# Altium PCB PCB_NexisIV_ps.PcbDoc
Units mm, origin at the board's own origin, x right, y up, seen from the top; angles counter-clockwise.
Board outline 84 x 50 mm, 2 copper layers (Top Layer, Bottom Layer); 37 components, 17 nets, 95 pads, 35 vias.
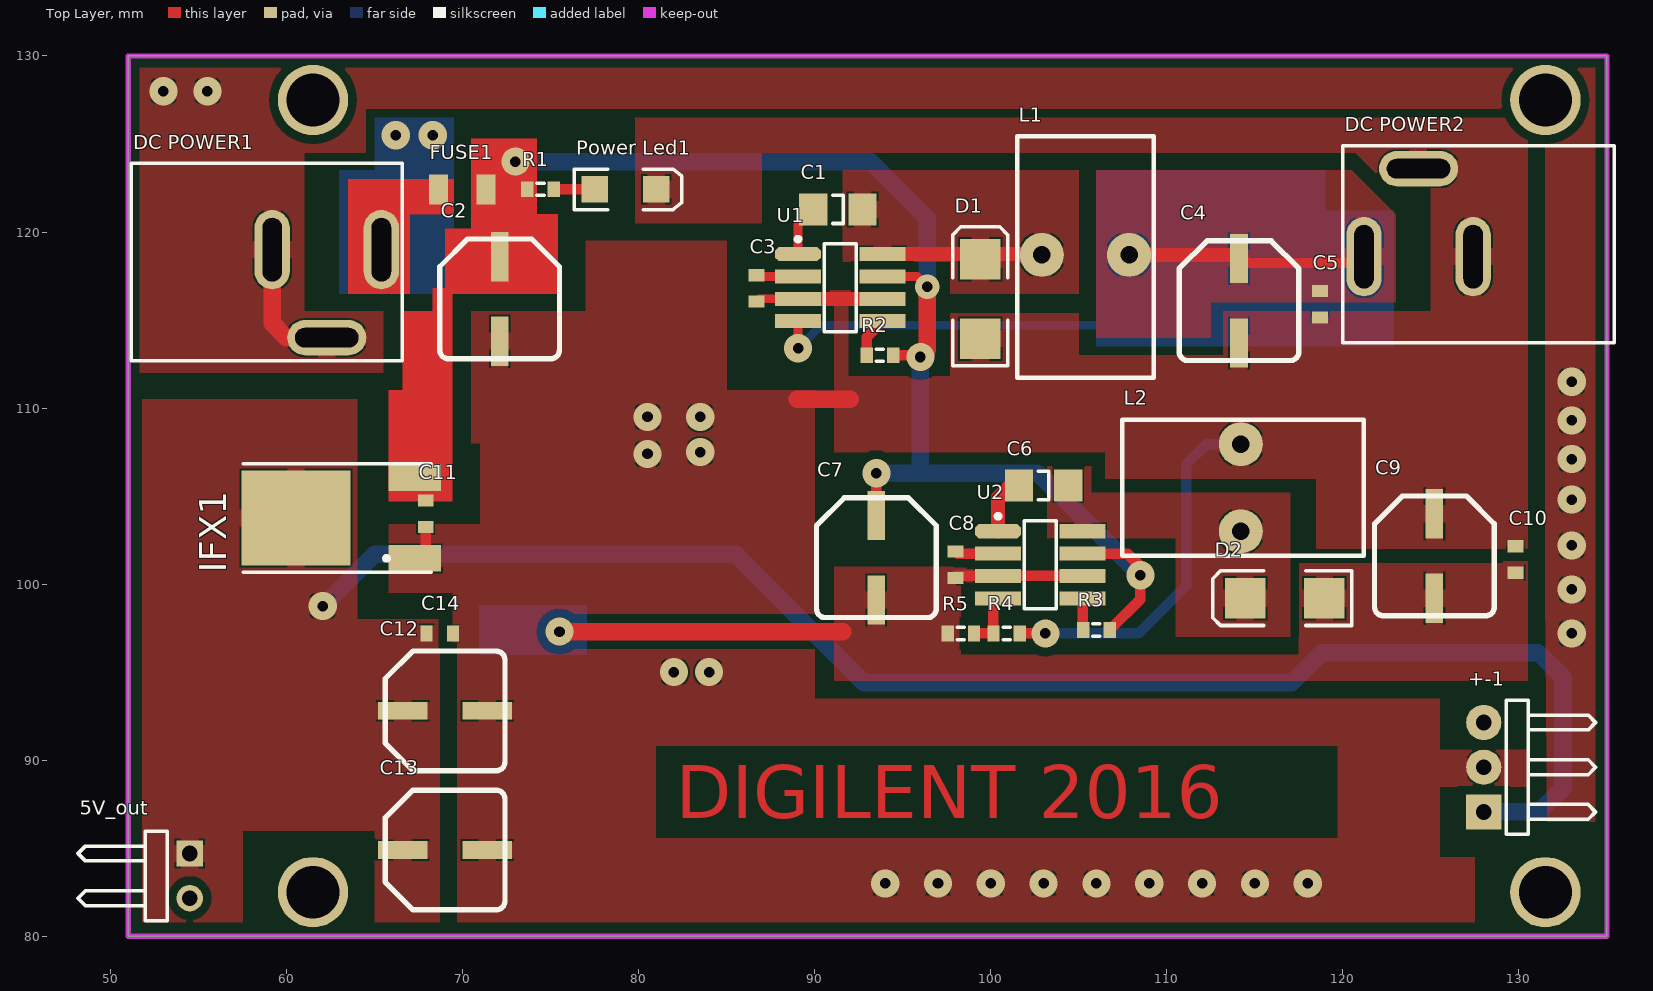
[diagram p0: Top Layer view]
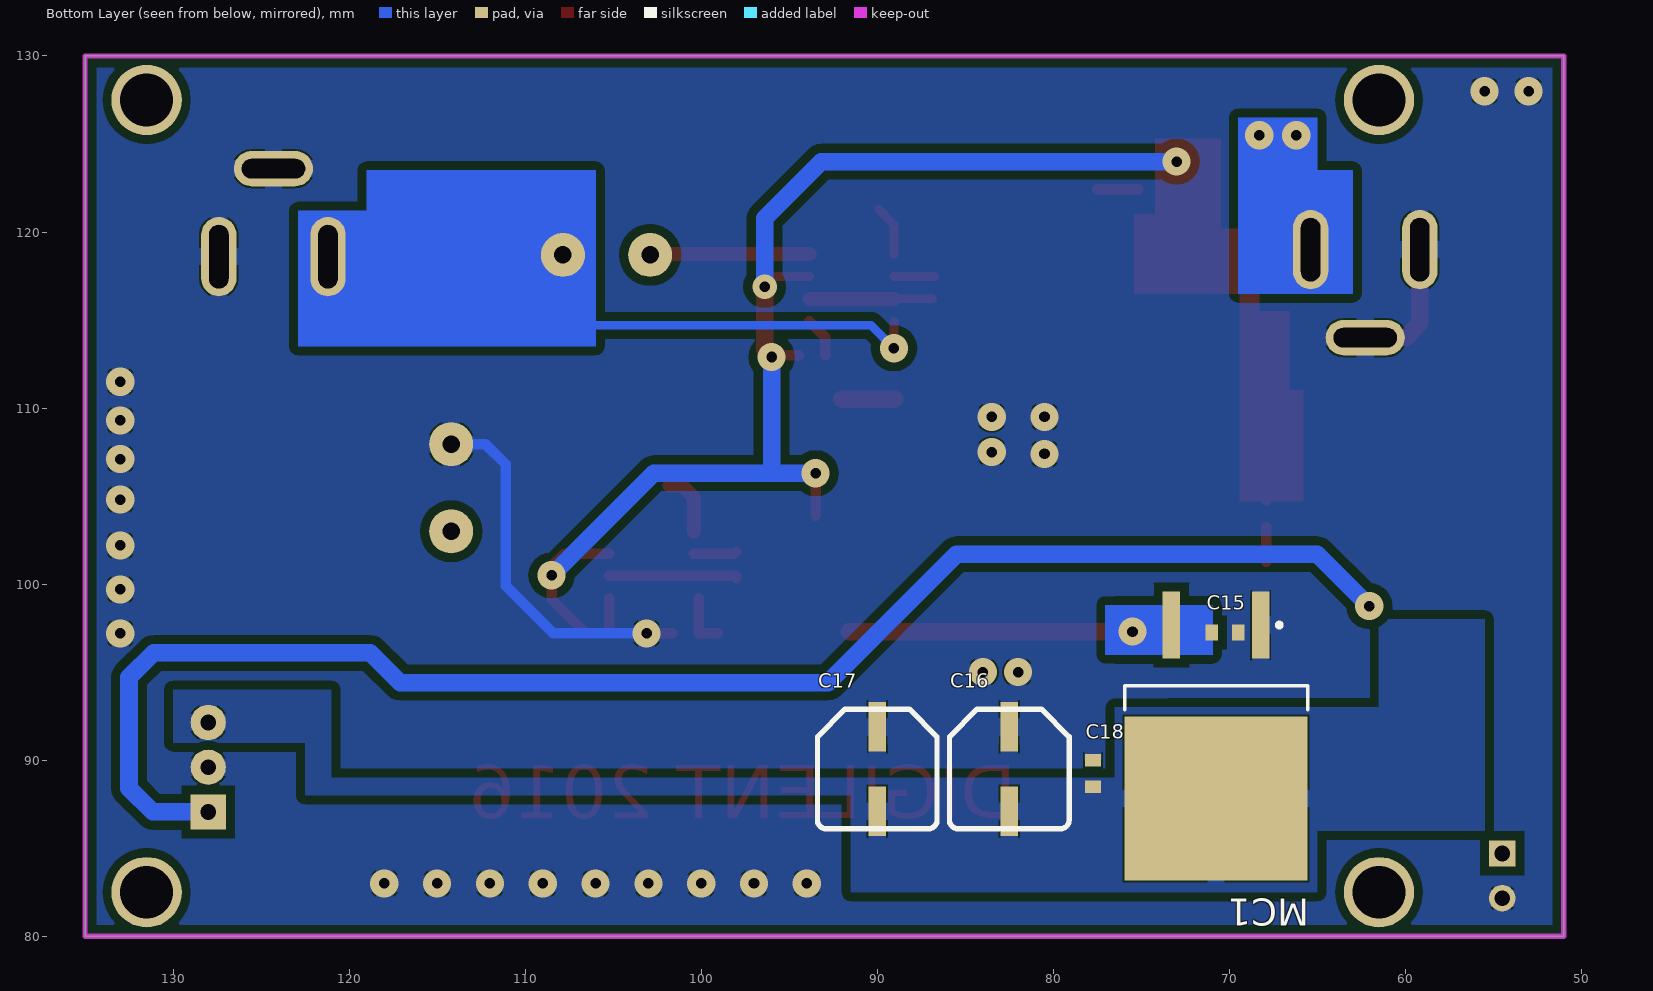
[diagram p1: Bottom Layer view, seen from below]
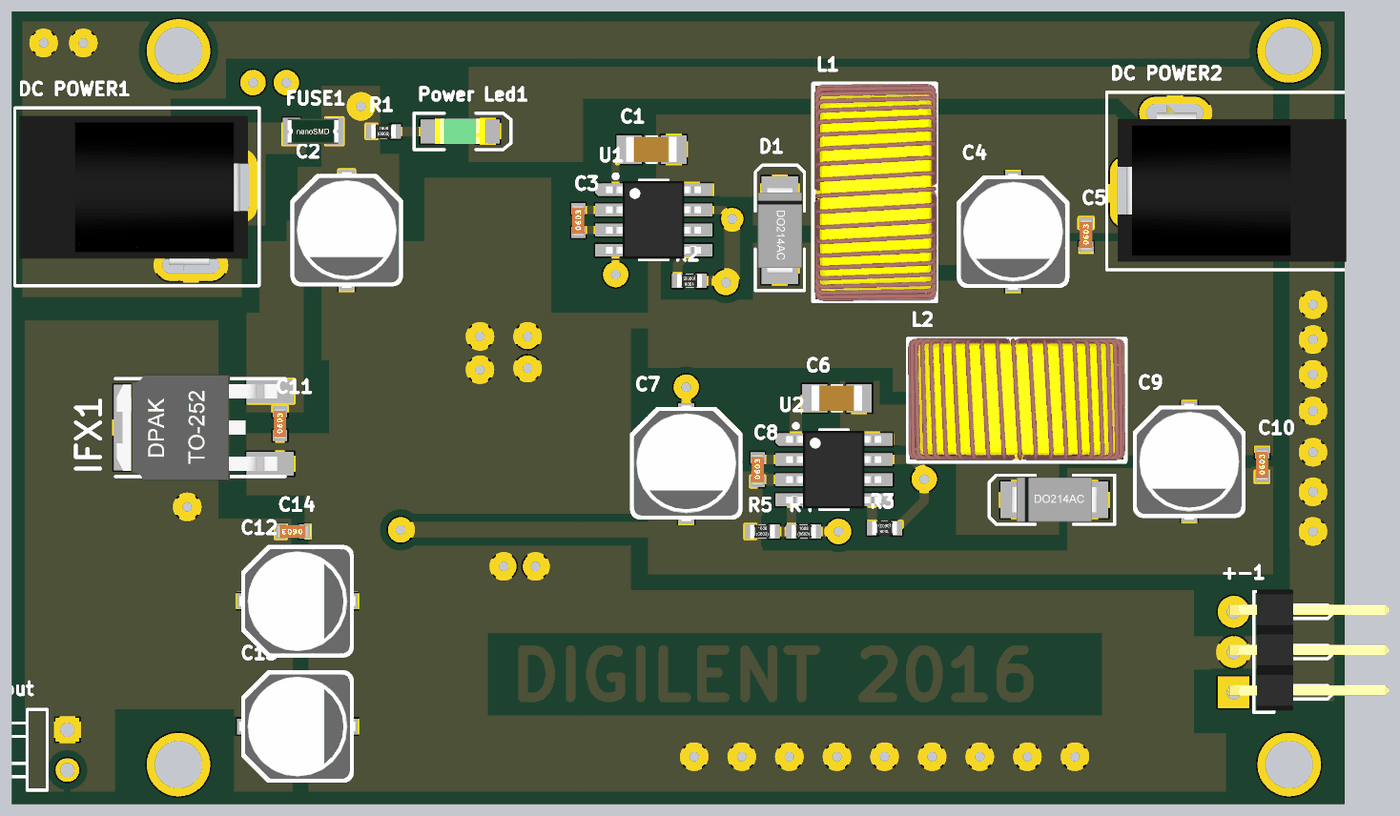
[diagram p2: 3D render of the assembled board from above, using the file's embedded part models]
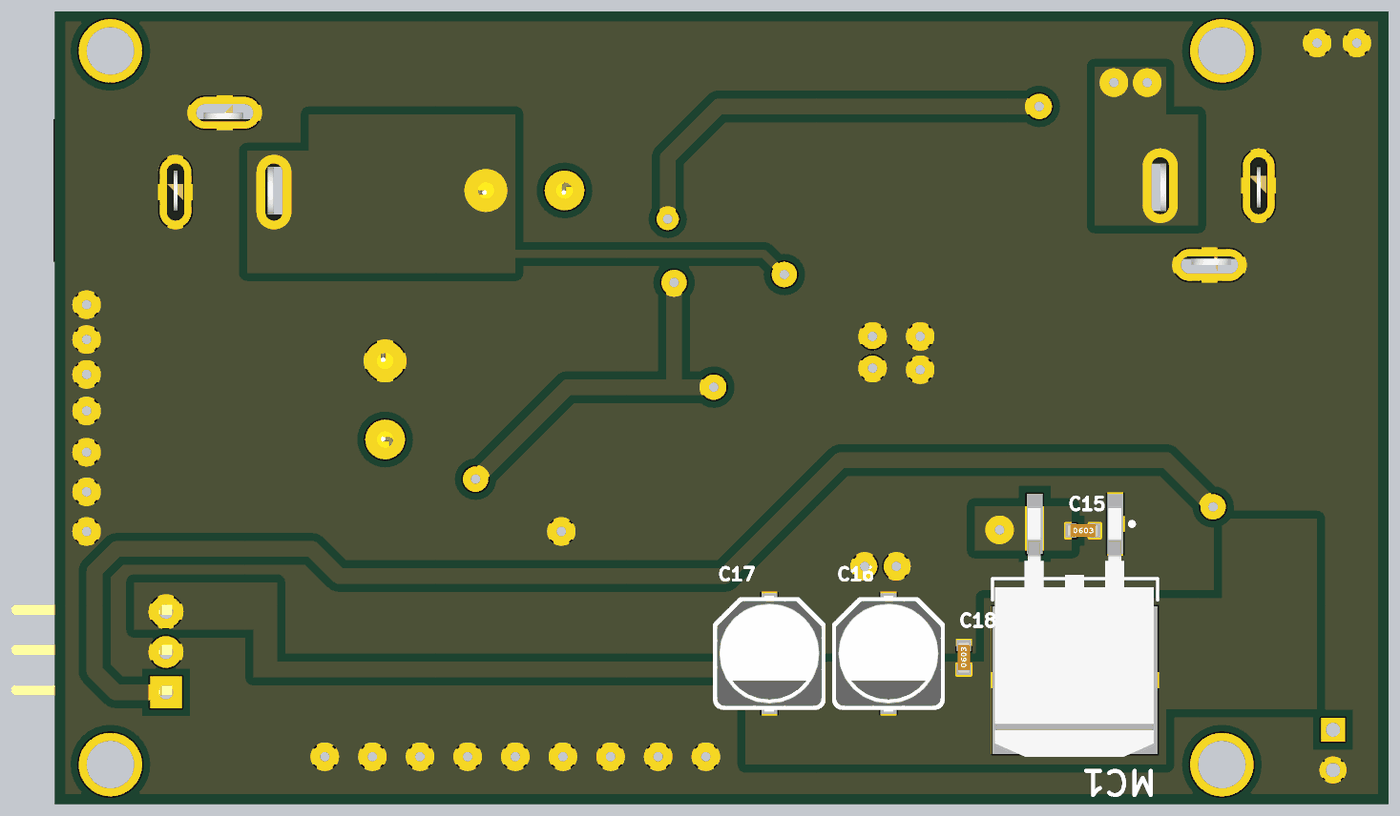
[diagram p3: 3D render of the assembled board from below, using the file's embedded part models]

## Layer stack, top to bottom
Top Layer: signal copper 0.0356
Dielectric: dielectric 0.32, FR-4, Dk 4.8
Bottom Layer: signal copper 0.0356

## Board outline
51,80 135,80 135,130 51,130

## Design rules (kind name [scope] priority, off if disabled: settings)
Clearance [All] p1: gap=0.5
PolygonConnect [All] p1: connectstyle=Relief reliefconductorwidth=1 reliefentries=4 polygonreliefangle="90 Angle" airgapwidth=0.1
RoutingVias [All] p1: holewidth=0.711 width=1.27 viastyle="Through Hole" minholewidth=0.711 minwidth=1.27 maxholewidth=0.711 maxwidth=1.27
SolderMaskExpansion [All] p1: expansion=0.102
Width [All] p1: maxlimit=3 minlimit=0.1 preferedwidth=0.5
28 further rules are at their usual default settings.

## Classes and differential pairs
component class SCH_NexisIV_ps: 5V_out +-1 C1 C2 C3 C4 C5 C6 C7 C8 C9 C10 C11 C12 C13 C14 C15 C16 C17 C18 D1 D2 "DC POWER1" "DC POWER2" FUSE1 L1 L2 "Power Led1" R1 R2 R3 R4 R5 U1 U2

## Components (designator, comment, footprint, x,y, rotation, side; value= is the part's Value field where it differs from the comment)
5V_out "Header 2H" HDR1X2H 54.5,84.7 r270 top
+-1 "Header 3" 3pin_header_90 128,89.6 r180 top
C1 "Cap" "condensator SMD(1206-v.1 )" 91.313,121.285 r180 top
C2 "Cap Pol1" "condensator smd (6,3 x 5)(blank)" 72.1,116.2 r90 top
C3 "Cap" "Condensator SMD(1608)" 86.7,116.8 r0 top
C4 "Cap Pol1" "condensator smd (6,3 x 5)(blank)" 114.1,116.1 r90 top
C5 "Cap" "Condensator SMD(1608)" 118.7,115.9 r0 top
C6 "Cap" "condensator SMD(1206-v.1 )" 103,105.6 r180 top
C7 "Cap Pol1" "condensator smd (6,3 x 5)(blank)" 93.5,101.5 r90 top
C8 "Cap" "Condensator SMD(1608)" 98,101.1 r0 top
C9 "Cap Pol1" "condensator smd (6,3 x 5)(blank)" 125.2,101.6 r90 top
C10 "Cap" "Condensator SMD(1608)" 129.8,101.4 r0 top
C11 "Cap" "Condensator SMD(1608)" 67.9,104 r0 top
C12 "Cap Pol1" "condensator smd (6,3 x 5)(blank)" 69,92.8 r180 top
C13 "Cap Pol1" "condensator smd (6,3 x 5)(blank)" 69,84.9 r180 top
C14 "Cap" "Condensator SMD(1608)" 68.7,97.2 r90 top
C15 "Cap" "Condensator SMD(1608)" 70.25,97.25 r270 bottom
C16 "Cap Pol1" "condensator smd (6,3 x 5)(blank)" 82.5,89.5 r90 bottom
C17 "Cap Pol1" "condensator smd (6,3 x 5)(blank)" 90,89.5 r90 bottom
C18 "Cap" "Condensator SMD(1608)" 77.75,89.25 r180 bottom
D1 "Diode 1N4001" diodaSMD 99.4,116.2 r0 top
D2 "Diode 1N4001" diodaSMD 116.7,99.2 r90 top
"DC POWER1" "DC POWER" "DC POWER [5.5mm]" 59.182,118.999 r180 top
"DC POWER2" "DC POWER" "DC POWER [5.5mm]" 127.4,118.6 r0 top
FUSE1 "Fuse 2" Fuse_3216 69.977,122.428 r180 top
IFX1 "Component_1" TO-252[me] 63.9,103.75 r90 top
L1 "Inductor Iron" BOBINA_SHOCK_2 102.9,118.7 r0 top
L2 "Inductor Iron" BOBINA_SHOCK_2 114.2,103 r90 top
MC1 "Component_1" TO-263-3s 70.75,92.75 r270 bottom
"Power Led1" "LED2" "led smd verde" 79.248,122.428 r0 top
R1 "Res1" 1608(R) 74.422,122.428 r0 top
R2 "Res1" 1608(R) 93.7,113 r180 top
R3 "Res1" 1608(R) 106,97.4 r180 top
R4 "Res1" 1608(R) 100.9,97.2 r0 top
R5 "Res1" 1608(R) 98.3,97.2 r0 top
U1 "MAX5035B" "SOIC 8 pini" 91.44,116.84 r0 top
U2 "MAX5035D" "SOIC 8 pini" 102.8,101.1 r0 top

## Footprints (in the part's own frame and the unit in brackets; to place one, negate y for a bottom-side part, rotate by r counter-clockwise, add the part's x,y. Pads: shape width x height; smd on the part's side, far side on the other; paste and mask are expansions set on the pad)
3pin_header_90 [mm]
  rect 2x2 hole 0.9: 1(0,2.54)
  round 2 hole 0.9: 2(0,0) 3(0,-2.54)
  silkscreen extent -6.35,-3.81 -1.27,3.81, body extent -9.75,-3.94 0.38,3.68, height 2.51
1608(R) [mm] "Rezistor SMD (1,6 X 0,8) mm"
  rect 0.7x0.9 smd: 1(-0.75,0) 2(0.75,0)
  silkscreen extent -0.2,-0.35 0.2,0.35, body extent -0.77,-0.42 0.78,0.43, height 0.45
BOBINA_SHOCK_2 [mm]
  round 2.5 hole 1: 1(0,0) 2(4.953,0)
  silkscreen extent -1.4,-6.98 6.35,6.73, body extent -1.31,-6.97 6.39,6.72, height 14.25
"condensator smd (6,3 x 5)(blank)" [mm]
  rect 2.8x1 smd: 1(2.4,0) 2(-2.4,0)
  silkscreen extent -3.4,-3.4 3.4,3.4, body extent -3.65,-3.3 3.65,3.3, height 5.9
"condensator SMD(1206-v.1 )" [mm]
  rect 1.6x1.8 smd: 1(-1.4,0) 2(1.4,0)
  silkscreen extent -0.3,-0.8 0.3,0.8, body extent -1.59,-0.81 1.61,0.79, height 1
"Condensator SMD(1608)" [mm]
  rect 0.9x0.7 smd: 1(0,-0.75) 2(0,0.75)
  body extent -0.4,-1.01 0.39,0.99, height 0.79
"DC POWER [5.5mm]" [mm]
  oval 2x4.5 hole 1.1 slot 3.6 at 90 deg: 1(-6.2,0) 3(0,0)
  oval 4.5x2 hole 1.1 slot 3.6 at 0 deg: 2(-3.1,5)
  silkscreen extent -7.4,-4.9 8,6.3, body extent -6.7,-4.4 7.7,5, height 11.05
diodaSMD [mm]
  rect 2.3x2.3 smd: 1(0,-2.25) 2(0,2.25)
  silkscreen extent -1.55,-3.8 1.55,4.1, body extent -1.39,-2.74 1.41,2.74, height 2.24
Fuse_3216 [mm] "Rezistor SMD (3,2 X 1,6) mm"
  rect 1.1x1.7 smd: 1(-1.35,0) 2(1.35,0)
  body extent -1.6,-0.8 1.6,0.8, height 1
HDR1X2H [mm] "Connector; Header; 2 Position; Right Angle"
  rect 1.5x1.5 hole 0.9: 1(0,0)
  round 1.5 hole 0.9: 2(2.54,0)
  silkscreen extent -1.27,-6.35 3.81,-1.27
"led smd verde" [mm]
  rect 1.5x1.5 smd: 1(-1.75,0) 2(1.75,0)
  silkscreen extent -2.9,-1.15 3.2,1.15, body extent -1.6,-0.79 1.6,0.81, height 1.11
"SOIC 8 pini" [mm]
  oct 2.6x0.8 smd: 1(-2.387,1.905)
  rect 2.6x0.8 smd: 2(-2.387,0.635) 3(-2.387,-0.635) 4(-2.387,-1.905) 5(2.413,-1.905) 6(2.413,-0.635) 7(2.413,0.635) 8(2.413,1.905)
  silkscreen extent -2.51,-2.5 0.91,2.88, body extent -3,-2.45 3,2.45, height 1.75
TO-252[me] [mm]
  rect 1.5x3 smd: 1(-2.285,-3.375) 3(2.285,-3.375)
  rect 5.4x6.2 smd: 2(0,3.375)
  silkscreen extent -3.09,-4.32 3.09,6.38, body extent -3.37,-3.81 3.37,6.29, height 2.37
TO-263-3s [mm]
  rect 3.8x1 smd: 1(-4.925,2.54) 3(-4.925,-2.54)
  rect 9.3x10.4 smd: 4(4.925,0)
  silkscreen extent -5.05,-5.2 -0.12,5.2, body extent -5.92,-5.03 9.75,4.97, height 4.78

## Part data
5V_out: "Header, 2-Pin, Right Angle"
+-1: "Header, 3-Pin"
C1 C3 C5 C6 C8 C10 C11 C14 C15 C18: "Capacitor"
C2 C4 C7 C9 C12 C13 C16 C17: "Polarized Capacitor (Radial)"
D1 D2: "1 Amp General Purpose Rectifier"
FUSE1: "Fuse"
L1 L2: "Magnetic-Core Inductor"
"Power Led1": "Typical RED, GREEN, YELLOW, AMBER GaAs LED"
R1 R2 R3 R4 R5: "Resistor"
U1 U2: library part MAX5035

## Free pads (board coordinates)
  round 4 hole 3: ""(61.5,82.5) ""(61.5,127.5) ""(131.5,82.5) ""(131.5,127.5)

## Via types
v1: diameter 1.6, hole 0.6, Top Layer to Bottom Layer, 34 vias
v2: diameter 1.4, hole 0.6, Top Layer to Bottom Layer, 1 vias

## Nets (pads, with @x,y where several pads share a name; then routed paths per layer and width w, separated by ;. In a path a pad name is that pad's centre, name@x,y a point inside that pad or via, vN(x,y) a via of type N, cw(c..) or ccw(c..) an arc to the next point about the centre after c; other vN are vias at no path point)
+5V: "DC POWER2.1" C4.1 C5.2 L1.2 U1.4 | length 48.7
  Top Layer w0.5: v1(89.053,113.4) U1.4
  Top Layer w0.6: C4.1@114.1,118.7 114.55,118.25 120.35,118.25
  Top Layer w0.8: L1.2 C4.1@114.1,118.7
  Bottom Layer w0.5: v1(89.053,113.4) 90.353,114.7 114.1,114.7 118.5,119.1 121.2,119.1
+5V_LINIAR: 5V_out.1 +-1.1 C12.1 C13.1 C14.2 IFX1.2 | length 87.3
  Bottom Layer w1: v1(62.05,98.75) 65,101.7 85.5,101.7 92.8,94.4 117.1,94.4 118.8,96.1 131.1,96.1 132.5,94.7 132.5,88.4 131.16,87.06 +-1.1
+VCC: C2.1 C7.1 C11.2 FUSE1.1 IFX1.3 R1.1 R2.1 R3.1 U1.7 U2.7 | length 82.1
  Top Layer w0.5: U1.7 95.825,117.475 v2(96.4,116.9)
  Top Layer w0.6: C11.2 IFX1.3@67.9,106.34 ; FUSE1.1 R1.1 ; C7.1 v1(93.5,106.3) ; R2.1 95.9,113 v1(96,112.9) ; U2.7 107.765,101.735 108.5,101 v1(108.5,100.5) 108.5,99.15 R3.1
  Top Layer w0.8: FUSE1.1 71.327,123.327 72,124 v1(73,124)
  Top Layer w1: FUSE1.1 71.374,122.381 71.374,118.605 ; v1(96,112.9) 96.4,113.3 v2(96.4,116.9)
  Bottom Layer w1: v1(73,124) 93.175,124 96.4,120.775 v2(96.4,116.9) ; v1(93.5,106.3) 102.7,106.3 v1(108.5,100.5) ; 96,106.35 v1(96,112.9)
-5V_LINIAR: +-1.3 C16.2 C17.2 C18.1 MC1.4
-VCC: C7.2 C8.1 C9.2 C10.1 C15.1 D2.1 MC1.3 R5.1 U2.3 U2.6 | length 23.5
  Top Layer w0.6: C8.1 C8.1@98.115,100.465 ; C8.1@98,100.465 C8.1@98.115,100.465 ; U2.6 U2.3 C8.1@98.115,100.465
  Top Layer w1: v1(75.5,97.3) 91.6,97.3
FB: R4.1 R5.2 U2.4 | length 3.1
  Top Layer w0.6: R5.2 R4.1 U2.4@100.15,99.195
GND: 5V_out.2 "DC POWER1.2" "DC POWER1.3" "DC POWER2.2" "DC POWER2.3" "Power Led1.2" +-1.2 C2.2 C3.1 C4.2 C5.1 C9.1 C10.2 C11.1 C12.2 C13.2 C14.1 C15.2 C16.1 C17.1 C18.2 D1.1 IFX1.1 L2.2 MC1.1 R4.2 U1.3 U1.6 | length 40.7
  Top Layer w0.5: C3.1@86.855,116.205 U1.3
  Top Layer w0.6: IFX1.1@67.9,101.26 C11.1 ; R4.2 v1(103.1,97.2)
  Top Layer w0.8: U1.3 U1.6
  Top Layer w1: 59.182,118.999 59.182,114.808 59.991,113.999 62.282,113.999 ; 89,110.5 92,110.5
  Bottom Layer w0.6: v1(103.1,97.2) 108.4,97.2 111.1,99.9 111.1,106.8 112.253,107.953 L2.2
  other v1: 94,83 97,83 100,83 103,83 106,83 109,83 112,83 115,83 118,83 82,95 84,95 133,97.2 133,99.7 133,102.2 133,104.8 133,107.1 80.5,107.4 83.5,107.5 133,109.3 80.5,109.5 83.5,109.5 133,111.5 53,128 55.5,128
NetC1_1: C1.1 D1.2 L1.1 U1.8 | length 9
  Top Layer w0.8: U1.8 L1.1@102.9,118.745
NetC1_2: C1.2 U1.1 | length 2.9
  Top Layer w0.5: U1.1 89.053,120.425 C1.2
NetC3_2: C3.2 U1.2 | length 2.3
  Top Layer w0.5: C3.2@86.753,117.475 U1.2
NetC6_1: C6.1 D2.2 L2.1 U2.8
NetC6_2: C6.2 U2.1 | length 3.6
  Top Layer w0.8: U2.1 100.413,104.913 101.1,105.6 C6.2@101.8,105.6
NetC8_2: C8.2 U2.2 | length 2.5
  Top Layer w0.6: C8.2 98.115,101.735 U2.2
"NetDC POWER1_1": "DC POWER1.1" FUSE1.2 | length 6
  Top Layer w1: 65.382,118.999 65.382,121.262 66.548,122.428 FUSE1.2
  other v1: 66.2,125.5 68.3,125.5
"NetPower Led1_1": "Power Led1.1" R1.2 | length 2.3
  Top Layer w0.6: R1.2 77.498,122.428
NetR2_2: R2.2 U1.5 | length 2.3
  Top Layer w0.6: R2.2 92.95,114.032 U1.5
NetR3_2: R3.2 U2.5 | length 1.8
  Top Layer w0.6: R3.2@105.213,97.4 U2.5

## Polygon pours and split planes (outlines as drawn)
GND on Top Layer "GND" (solid, pour order 31): 131.6,86.5 135,86.5 135,129.9 135,130 51.1,130 51,130 51,112 65.5,112 65.5,113.8 65.5,115.5 63.6,115.5 61,115.5 61,117.6 61,124.5 64,124.5 64.5,124.5 64.5,125.9 64.5,127 66.9,127 131.5,127 131.5,99.6
GND on Top Layer "GND" (solid, pour order 25): 85,113 85,111 88.5,111 90,111 90,106.5 90,93.5 96,93.5 125.5,93.5 125.5,91.5 125.5,90.6 124,90.6 124,82.3 77,82.3 77,96.493 77,113
GND on Top Layer "GND" (solid, remove dead copper, pour order 17): 76,115.5 70.5,115.5 70.5,113.2 70.5,108 71,108 71,104.5 71,103.4 66.3,103.4 65.8,103.4 65.8,102.3 65.8,99.5 67.4,99.5 69.45,99.5 69.45,97.2 69.7,97.2 69.7,95 69.7,80.8 71.9,80.8 127.5,80.8 127.5,82.5 127.5,84.5 125.5,84.5 125.5,88.5 129,88.5 130.6,88.5 130.6,90.4 130.6,90.6 128.1,90.6 124,90.6 124,87.5 124,82.3 120,82.3 77,82.3 77,89.4 77,113 84,113 85,113 85,117.3 85,119.5 80,119.5 77,119.5 77,115.5
+5V_LINIAR on Top Layer "GND" (solid, remove dead copper, pour order 15): 64,110.5 51.8,110.5 51.8,107.2 51.8,80.8 56.8,80.8 57.5,80.8 57.5,84.5 57.5,86 61.9,86 65,86 65,84.1 65,80.8 67.7,80.8 68.7,80.8 68.7,91.5 68.7,98 64,98
-VCC on Top Layer "GND" (solid, remove dead copper, pour order 11): 130.5,101.3 130.5,94.5 91,94.5 91.1,94.5 91.1,99.2 91.1,101 93.6,101 106.8,101 106.8,100.4 106.8,100 105.3,100 98.3,100 98.3,99.4 98.3,96 100.8,96 117.5,96 117.5,98.5 117.5,101.2 120,101.2 129.1,101.2 129.1,101.3
NetC6_1 on Top Layer "GND" (solid, remove dead copper, pour order 9): 103.2,102.6 103.2,106.7 105.1,106.7 105.7,106.7 105.7,105.6 105.7,105.2 109,105.2 117,105.2 117,102.9 117,97 112.3,97 110.5,97 110.5,100.8 110.5,102.6 108.5,102.6
GND on Top Layer "GND" (solid, remove dead copper, pour order 5): 130.5,109.5 130.5,102 129,102 118.5,102 118.5,104 118.5,106 113.9,106 106.5,106 106.5,107.5 91.1,107.5 91.1,109.5
NetC1_1 on Top Layer "GND" (solid, pour order 4): 92,118.3 91.6,118.3 91.6,122 91.6,123.5 99,123.5 105,123.5 105,120.8 105,116.5 101.5,116.5 97.7,116.5 97.7,117.9 97.7,118.3 94.1,118.3
+5V on Top Layer "GND" (solid, pour order 6): 106,116.5 106,123.5 117.5,123.5 120.5,123.5 123,121 123,116 120.6,116 112.5,116 112.5,114.5 112.5,114 106,114
GND on Top Layer "GND" (solid, pour order 8): 94.7,115.8 91.9,115.8 91.9,115 91.9,111.8 94.5,111.8 97.7,111.8 97.7,113.6 97.7,115.4 100.1,115.4 105,115.4 105,114.1 105,113 108.3,113 113.2,113 113.2,114.2 113.2,115.5 114.8,115.5 125,115.5 125,116.9 125,122.5 123.5,122.5 122.7,122.5 121.5,123.7 120.7,124.5 114,124.5 87,124.5 87,122 87,120.5 80,120.5 79.8,120.5 79.8,123.5 79.8,126.5 94.5,126.5 130.5,126.5 130.5,120.4 130.5,109.5 94.4,109.5 91.1,109.5 91.1,115 91.1,115.8 89.1,115.8 86.2,115.8 86.2,116.6 86.2,116.7 94.7,116.7
GND on Bottom Layer "GND" (solid, remove dead copper, pour order 29): 51,130 51,80 135,80 135,130
GND on Bottom Layer "GND" (solid, remove dead copper, pour order 21): 66.5,95 65.8,95 65.8,97 65.8,99.3 66.5,100 85,100 89.3,95.7 92,93 98.4,93 120,93 120,92 120,90 117.1,90 90,90 90,91 90,90.9 86.7,90.9 77.7,90.9 77.7,92.3 77.7,93.4 74.7,93.4 73.5,93.4 73.5,94.1 73.5,95.1 74.7,95.1 76.5,95.1 76.5,98.3 76.5,99.4 70.4,99.4 68.6,99.4 68.6,95
-5V_LINIAR on Bottom Layer "GND" (solid, remove dead copper, pour order 19): 61.5,98 61.5,93 69.1,93 76.5,93 76.5,90.4 76.5,89 79.5,89 121,89 121,91.5 121,94 129,94 130,94 130,91.5 130,91 127.6,91 122.5,91 122.5,90.2 122.5,88 103.3,88 91.5,88 91.5,85.9 91.5,82.5 80,82.5 65,82.5 65,85.9 65,86 62.6,86 55.5,86 55.5,98

## Keep-outs
Keep-Out Layer:
  the board outline again, w0.3

## Other copper
Top Layer:
  region net +VCC: 68.3,116.8 68.3,115.5 66.6,115.5 66.6,111 65.8,111 65.8,104.7 69.4,104.7 69.4,116.5 75.4,116.5 75.4,116.8
  region net "NetDC POWER1_1": 67,116.5 67,121 69.5,121 69.5,123 63.5,123 63.5,116.5
  region net +VCC: 70.5,125.3 74.2,125.3 74.2,121 75.4,121 75.4,116.8 69,116.8 69,120.2 70.5,120.2
  text "DIGILENT 2016" at 82.1,86.7 h3
Bottom Layer:
  region net +5V: 122.9,121.2 119,121.2 119,123.5 106,123.5 106,113.5 122.9,113.5
  region net "NetDC POWER1_1": 63,116.5 69.5,116.5 69.5,126.5 65,126.5 65,123.5 63,123.5
  region net -VCC: 70.95,98.8 77.05,98.8 77.05,96 70.95,96